# Altium PCB InsaneKeyboard.PcbDoc (part 4 of 4)
Units mil, origin at the board's own origin, x right, y up, seen from the top; angles counter-clockwise.
Board outline 7442.83 x 6333.68 mil, 2 copper layers (Top Layer, Bottom Layer), stack 61.756 mil thick; 289 components, 175 nets, 928 pads, 1143 vias.
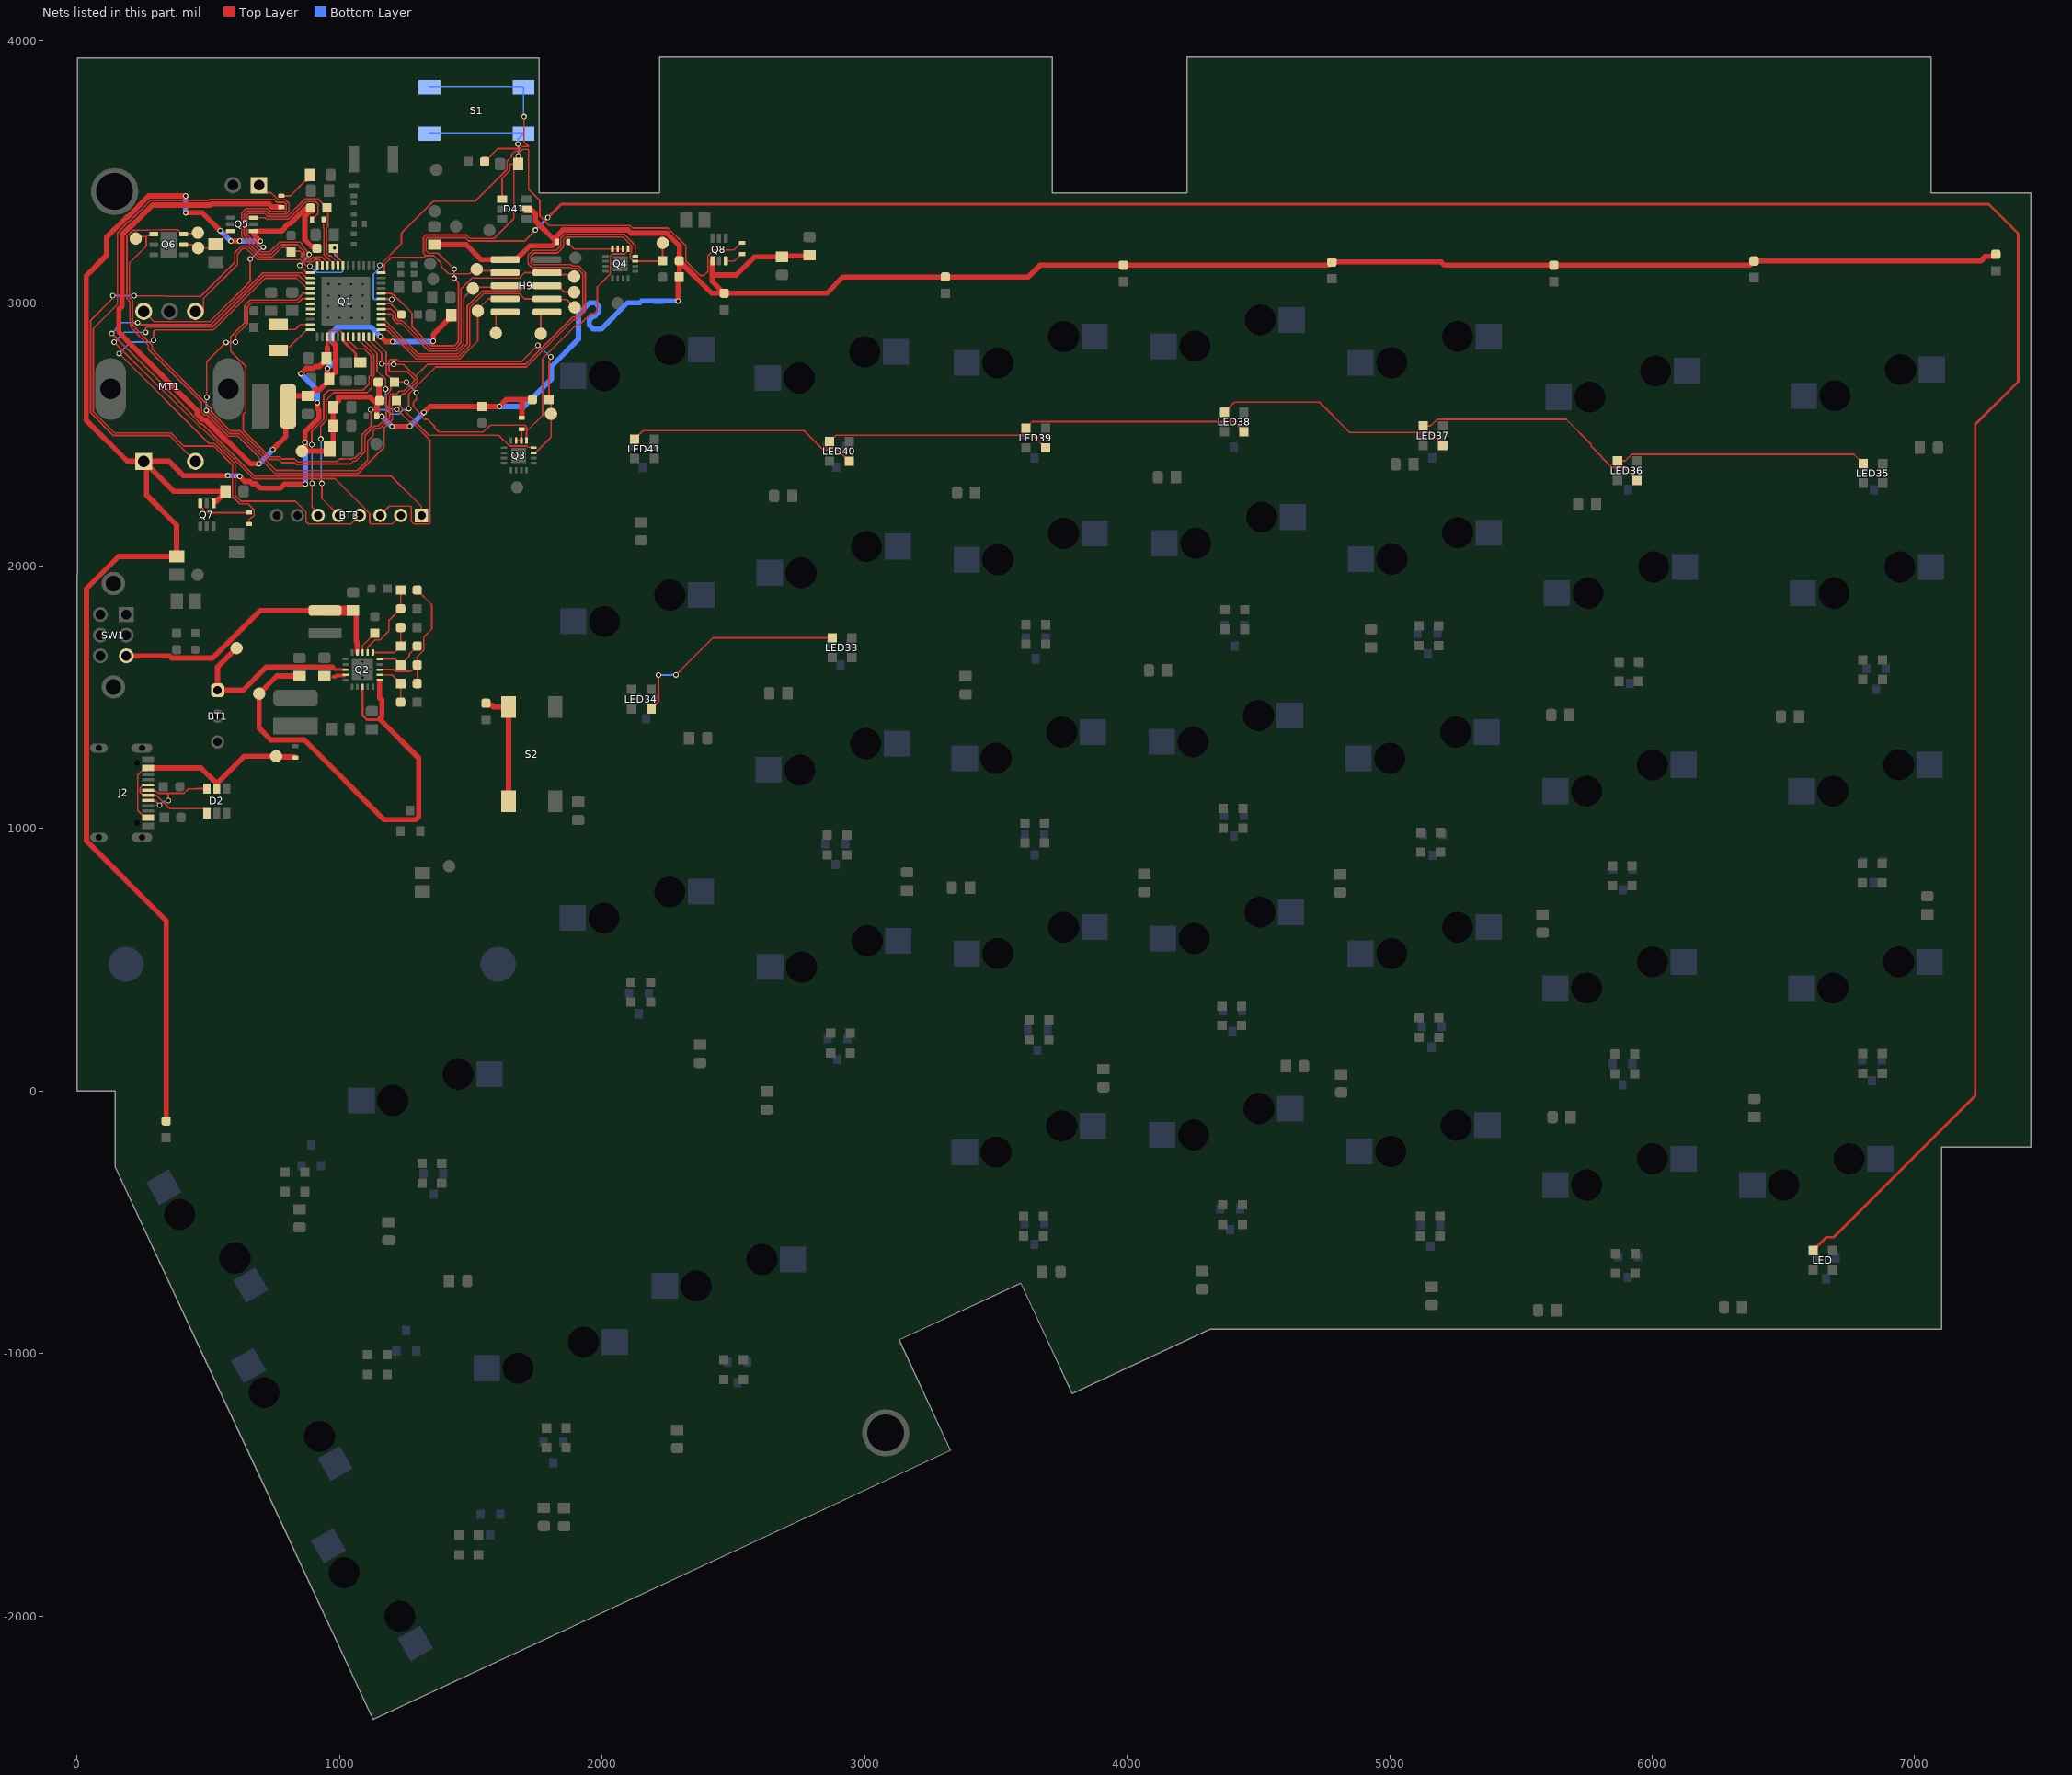
[diagram p4: the nets of this part, all layers, seen from the top]

## Via types
v1: diameter 21, hole 13, Top Layer to Bottom Layer, tented both sides, 1023 vias
v2: diameter 21, hole 13, Top Layer to Bottom Layer, 120 vias

## Nets (pads, with @x,y where several pads share a name; then routed paths per layer and width w, separated by ;. In a path a pad name is that pad's centre, name@x,y a point inside that pad or via, vN(x,y) a via of type N, cw(c..) or ccw(c..) an arc to the next point about the centre after c; other vN are vias at no path point) (continued)
NetLED33_3-DI: LED33.3-DI LED34.1-DO | length 862.7
  Top Layer w6: LED34.1-DO@2187.4,1453.6 2216,1482.2 v2(2216,1583) ; v2(2282,1584) 2423,1725 LED33.3-DI@2877.02,1725
  Bottom Layer w6: v2(2216,1583) 2266,1583 2269,1586 2280,1586 v2(2282,1584)
NetLED35_1-DO: LED35.1-DO LED36.3-DI | length 960.6
  Top Layer w6: LED36.3-DI@5867.6,2399.4 5897.07,2399.4 5921.79,2424.12 6768.88,2424.12 LED35.1-DO@6803.6,2389.4
NetLED36_1-DO: LED36.1-DO LED37.3-DI | length 926.1
  Top Layer w6: LED37.3-DI@5127.6,2532.4 5157.07,2532.4 5181.79,2557.12 5672.63,2557.12 5767.5,2462.25 5767.5,2454.17 5846.98,2374.69 5892.31,2374.69 LED36.1-DO@5942.4,2324.6
NetLED37_1-DO: LED37.1-DO LED38.3-DI | length 915.9
  Top Layer w6: LED38.3-DI@4370.6,2584.4 4408.7,2622.5 4732.75,2622.5 4847.57,2507.69 5152.31,2507.69 LED37.1-DO@5202.4,2457.6
NetLED38_1-DO: LED38.1-DO LED39.3-DI | length 857
  Top Layer w6: LED39.3-DI@3614.6,2523.4 3639.31,2548.12 4406.88,2548.12 LED38.1-DO@4445.4,2509.6
NetLED39_1-DO: LED39.1-DO LED40.3-DI | length 853.1
  Top Layer w6: LED40.3-DI@2866.6,2472.4 2891.31,2497.12 3640.88,2497.12 LED39.1-DO@3689.4,2448.6
NetLED40_1-DO: LED40.1-DO LED41.3-DI | length 878.2
  Top Layer w6: LED41.3-DI@2124.6,2482.4 2156.32,2514.12 2769.65,2514.12 2843.08,2440.69 2898.31,2440.69 LED40.1-DO@2941.4,2397.6
NetQ2_7: Q2.7 R11.1 R15.2 | length 165.4
  Top Layer w6: Q2.7@1152.96,1584.31 1200.17,1584.31 R11.1@1233.4,1551.08 R15.2@1233.4,1479.91
NetQ2_8: Q2.8 R2.2 R11.2 R12.2 | length 558.3
  Top Layer w6: Q2.8@1152.96,1604 1206.31,1604 1212.79,1597.53 1271.68,1597.53 R12.2@1296.39,1622.25 ; R11.2@1296.39,1551.08 R12.2@1296.39,1622.25 ; R2.2@1296.39,1906.91 1352,1851.31 1352,1758.25 1321.11,1727.36 1321.11,1677.98 1296.39,1653.27 R12.2@1296.39,1622.25
NetQ2_10: Q2.10 R12.1 R14.2 | length 186.5
  Top Layer w6: Q2.10@1152.96,1643.37 1212.28,1643.37 R12.1@1233.4,1622.25 1265.91,1654.76 1265.91,1662.93 R14.2@1296.39,1693.41
NetQ2_11: Q2.11 R14.1 R17.2 | length 187.3
  Top Layer w6: Q2.11@1127.37,1668.96 1208.95,1668.96 R14.1@1233.4,1693.41 R17.2@1233.4,1764.58
NetQ2_12: Q2.12 R2.1 R7.2 | length 301.7
  Top Layer w6: Q2.12@1107.68,1668.96 1107.68,1689.77 1135.7,1717.79 1155.62,1717.79 1188.17,1750.34 1188.17,1790.51 R7.2@1233.4,1835.74 R2.1@1233.4,1906.91
NetQ3_14: Q3.14 Q3.15 R27.2 | length 63.7
  Top Layer w6: Q3.15@1673.16,2476.5 Q3.14@1692.84,2476.5 1693.42,2477.08 1693.42,2519.42 R27.2@1694,2520
NetQ4_14: Q4.14 Q4.15 Q4.16 R28.2 | length 217.5
  Top Layer w6: R28.2@1871.65,3229.06 1894.22,3206.5 Q4.16@2040.47,3206.5 Q4.15@2060.16,3206.5 Q4.14@2079.84,3206.5
NetQ5_3: Q5.3 R29.1 | length 351.1
  Top Layer w6: Q5.3@672.31,3325.59 716.98,3325.59 723.14,3319.43 798.5,3319.43 798.72,3319.65 805.66,3319.65 867.16,3381.15 868.8,3381.15 874.52,3386.87 909.26,3386.87 918.5,3377.64 918.5,3341.09 904.22,3326.81 901.22,3326.81 896.35,3321.94 R29.1@896.35,3318
NetQ7_3: Q7.3 R333.1 | length 207.1
  Top Layer w6: Q7.3@469.41,2237.31 469.41,2227.46 495.22,2201.65 R333.1@656,2201.65
NetQ8_3: Q8.3 R37.1 | length 71.8
  Top Layer w6: Q8.3@2471.59,3160.69 2504.41,3160.69 R37.1@2532,3188.28
NetR6_2: R6.2 S1.1 S1.2 | length 782.4
  Top Layer w6: R6.2@1553.5,3539 1603,3588.5 1687.25,3588.5 1695.16,3596.41 1719.93,3596.41 1703,3613.34 v2(1703,3710.56)
  Bottom Layer w6: S1.1@1342.87,3822.58 S1.2@1701.13,3822.58 1701.13,3714.87 1703,3713 v2(1703,3710.56)
NetR38_2: R38.2 S2.1 S2.2 | length 450.8
  Top Layer w20: R38.2@1558,1476 1565.72,1468.28 1579.71,1468.28 1586.86,1461.13 S2.1@1644.42,1461.13 S2.2@1644.42,1102.87
PAVDD: L4.1 R4.2 | length 149.8
  Top Layer w6: R4.2@779,3408.31 812.87,3408.31 867.94,3463.38 876.94,3463.38 877.94,3464.38 877.94,3478.31 L4.1@887.63,3488
PTI_DATA: H9.10 TP12.1 | length 88.5
  Top Layer w6: TP12.1@1770,2897 1767,2900 1767,2956.27 1776.73,2966 H9.10@1791,2966
PTI_FRAME: H9.9 TP8.1 | length 109.3
  Top Layer w6: TP8.1@1596,2886 1596,2956.27 1605.73,2966 H9.9@1631,2966
RADIO_PA0: H3.1 Q1.25 | length 861.4
  Top Layer w6: H3.1@694,3449 722.5,3420.5 739.53,3420.5 766.6,3393.43 794.29,3393.43 807.81,3379.92 807.81,3350.09 797.38,3339.65 790.44,3339.65 790.22,3339.43 731.42,3339.43 720.39,3350.46 649.86,3350.46 637.59,3338.2 637.59,3258.31 700.4,3195.5 734.7,3195.5 771.86,3232.66 850.79,3232.66 856.72,3226.74 856.72,3219.28 876.5,3199.5 876.5,3197.56 885,3189.06 v1(885,3185) ; v1(849,3143) 850.94,3143 858.98,3134.96 858.98,3132.11 875.72,3115.37 Q1.25@887.53,3115.37
  Bottom Layer w6: v1(849,3143) 872.09,3166.09 872.09,3170.33 885,3183.24 v1(885,3185)
RADIO_PA1: BT3.1 Q1.26 | length 2355.2
  Top Layer w6: v1(133,2884) 133.75,2884 303.79,2713.96 439.81,2573.56 441.5,2571.81 441.5,2569.46 471.67,2539.3 478.88,2539.3 676.8,2341.38 1197.31,2341.38 1312.59,2226.09 BT3.1@1312.59,2191.35 ; v1(231.43,2925.65) 235.49,2925.65 242.89,2918.25 511.01,2918.25 707.76,3115 856.4,3115 875.72,3095.69 Q1.26@887.53,3095.69
  Bottom Layer w6: v1(133,2884) 147.77,2898.77 147.77,2901.01 172.4,2925.65 v1(231.43,2925.65)
RADIO_PA2: BT3.2 Q1.27 | length 2283.7
  Top Layer w6: v1(142,2851) 142.53,2851 177.81,2815.72 178.73,2814.54 179.98,2812.45 182.26,2810.16 467.53,2529.3 528.53,2475.5 672.65,2331.38 982.65,2331.38 1115.4,2198.63 1115.4,2162.11 1118.92,2158.6 1201.1,2158.6 BT3.2@1233.85,2191.35 ; v1(261.98,2888.53) 261.98,2904.49 265.49,2908 515,2908 712,3105 846.72,3105 875.72,3076 Q1.27@887.53,3076
  Bottom Layer w6: v1(142,2851) 180.5,2889.5 261.01,2889.5 v1(261.98,2888.53)
RADIO_PA3: BT3.4 Q1.28 | length 2172.8
  Top Layer w6: v1(160.85,2807.94) 503.29,2465.5 524.39,2465.5 602.59,2387.3 602.59,2268.17 625.29,2245.46 832.35,2245.46 872.9,2204.91 872.9,2167.1 881.4,2158.6 1043.62,2158.6 BT3.4@1076.37,2191.35 ; v1(291.95,2858.25) 291.95,2894.49 295.46,2898 520,2898 717,3095 837.03,3095 875.72,3056.31 Q1.28@887.53,3056.31
  Bottom Layer w6: v1(160.85,2807.94) 204.02,2851.12 280.93,2851.12 288.07,2858.25 v1(291.95,2858.25)
RADIO_PA4: Q1.29 Q4.11 R30.1 TP24.1 | length 3590
  Top Layer w6: Q1.29@887.53,3036.63 861.6,3036.63 850.62,3025.65 850.62,3023.18 838.87,3011.43 660.65,3011.43 639.28,2990.06 639.28,2925.25 586,2871.96 586,2816.88 643.46,2759.42 643.46,2586.58 633.36,2576.48 633.36,2515.92 734.7,2414.59 771.67,2414.59 779.88,2406.38 829.17,2406.38 840.17,2395.38 873.29,2395.38 874.92,2397 991.17,2397 1000.55,2406.38 1015.49,2406.38 1016.11,2407 1038.89,2407 1039.51,2406.38 1047.49,2406.38 1049.79,2408.69 1058,2408.69 1086.5,2437.18 1086.5,2498.53 1119.57,2531.6 1119.57,2593.43 v1(1119,2594) ; v1(1264.13,2598.13) 1264.13,2654.88 1366.25,2757 1712.31,2757 1892.58,2937.26 1906.71,2937.26 1936.62,2967.17 1936.62,3115.83 1910.83,3141.62 1887.07,3141.62 1882.69,3146 1736.91,3146 1729,3153.91 1729,3178.09 1741.73,3190.83 1829.9,3190.83 1853.29,3214.22 1853.29,3241.91 1863.19,3251.81 2080.29,3251.81 2111.65,3220.46 2111.65,3192.54 2107.69,3188.57 2107.69,3171.96 2119.8,3159.84 Q4.11@2126.5,3159.84 2229.34,3159.84 R30.1@2231,3161.5 ; TP24.1@2231,3229 R30.1@2231,3161.5 ; R30.1@2231.5,3161 R30.1@2231,3161.5
  Bottom Layer w6: v1(1119,2594) 1152.89,2594 1153.25,2593.64 1181,2593.64 1197.16,2577.47 1226.53,2577.47 1242.69,2593.64 1253.11,2593.64 1254.73,2595.26 1261.26,2595.26 v1(1264.13,2598.13)
RADIO_PA5: Q1.30 Q3.11 R26.1 TP23.1 | length 3078.3
  Top Layer w6: v2(493,2590.8) 580.8,2503 618,2503 758,2363 824.47,2363 826.09,2361.38 887.38,2361.38 888,2362 1067.16,2362 1107.4,2402.23 1107.4,2474.7 1128,2495.31 1128,2511.75 1138.25,2522 1152.39,2522 1191,2560.61 1191,2627.22 1191.78,2628 1191.78,2649.62 1195.88,2653.72 1216.72,2653.72 1228,2665 1245.12,2665 1286.06,2705.94 1286.06,2710.91 1257.47,2739.5 1192.64,2739.5 1189.13,2743.01 1189.13,2779.94 1193.77,2784.59 1218.83,2784.59 1226.42,2777 1693.42,2777 v1(1755.71,2839.29) ; v2(494.86,2640.86) 494.86,2776.36 v2(568.5,2850) ; v2(604,2851) 604,2875.82 649.28,2921.1 649.28,2985.92 664.79,3001.43 843.02,3001.43 858.53,3016.94 Q1.30@887.53,3016.94 ; Q3.11@1746.19,2429.84 1806,2489.65 1806,2625.5 R26.1@1798.5,2633 1798.5,2776.44 1801.76,2779.71 1801.76,2792.4 v1(1804.63,2795.27)
  Bottom Layer w6: v2(493,2590.8) 493,2639 v2(494.86,2640.86) ; v2(568.5,2850) 569,2850.5 603.5,2850.5 v2(604,2851) ; v1(1755.71,2839.29) 1758.17,2839.29 1802.18,2795.27 v1(1804.63,2795.27)
RADIO_PB11: Q1.31
RADIO_PB12: Q1.32
RADIO_PB13: Q1.33
RADIO_PB14: Q1.35 X2.2 | length 136.4
  Top Layer w6: X2.2@767,2918.21 785.65,2899.56 816.05,2899.56 816.4,2899.21 832.85,2899.21 852.15,2918.52 Q1.35@887.53,2918.52
RADIO_PB15: Q1.36 X2.1 | length 153.3
  Top Layer w6: X2.1@767,2819.79 780.22,2833 809.89,2833 875.72,2898.83 Q1.36@887.53,2898.83
RADIO_PC6: BT3.6 Q1.43 | length 900.4
  Top Layer w6: v1(895,2460.5) 895,2512.17 939.87,2557.04 939.87,2648.66 959.82,2668.62 1090.51,2668.62 1112.79,2690.9 1112.79,2718.57 1120,2725.78 1120,2799.66 1094.1,2825.56 1067.11,2825.56 Q1.43@1032.61,2860.05 ; v1(896,2313.88) 896,2223.34 918.89,2200.45 BT3.6@918.89,2191.35
  Bottom Layer w6: v1(895,2460.5) 895.5,2460 895.5,2314.38 v1(896,2313.88)
RADIO_PC7: Q1.44
RADIO_PC8: BT3.5 Q1.45 | length 880.6
  Top Layer w6: v1(928.9,2482.72) 928.9,2531.93 949.87,2552.89 949.87,2630.52 977.97,2658.62 1104.62,2658.62 1122.79,2676.79 1122.79,2714.43 1131,2722.64 1131,2802.8 1098.24,2835.56 1096.48,2835.56 Q1.45@1071.98,2860.05 ; v1(933,2313) 933,2255.98 BT3.5@997.63,2191.35
  Bottom Layer w6: v1(928.9,2482.72) 930.95,2480.67 930.95,2315.05 v1(933,2313)
RADIO_PC9: BT3.3 Q1.46 | length 1090.5
  Top Layer w6: Q1.46@1091.66,2860.05 1143.5,2808.22 1143.5,2741.15 1160.93,2723.72 1162.93,2723.72 1176,2710.65 v1(1176,2672.73) ; BT3.3@1155.11,2191.35 1190.36,2226.6 1270.49,2226.6 1274,2223.08 1274,2168.54 1283.94,2158.6 1341.24,2158.6 1345.34,2162.7 1345.34,2478.02 1274.93,2548.43 1265.82,2548.43 v1(1219.28,2594.97)
  Bottom Layer w6: v1(1176,2672.73) 1176,2612.78 1192,2596.78 1217.47,2596.78 v1(1219.28,2594.97)
RADIO_PC10: Q1.47 Q3.12 Q4.12 Q6.6 R31.1 TP33.1 | length 4777.4
  Top Layer w6: Q6.6@407.09,3262.37 399.99,3262.37 388.64,3273.72 388.64,3274.97 384.4,3279.21 315.6,3279.21 273.28,3278.23 232.01,3276.62 211.32,3276.62 190.5,3255.81 190.5,3016.61 202.2,3004.91 202.2,2958.83 202.06,2951.62 202.06,2949.08 204.5,2913.71 204.65,2912.26 204.75,2911.36 224.53,2887.65 252.08,2859.23 262.65,2848.43 272,2839.08 272,2824.83 475.5,2621.33 475.5,2583.55 485.75,2573.3 496.36,2573.3 576.65,2493 613,2493 754.62,2351.38 1070.68,2351.38 1170.62,2451.32 1170.62,2524.62 1201.78,2555.78 1201.78,2614.28 R31.1@1209,2621.5 ; Q6.6@407.09,3265.19 458.18,3265.19 TP33.1@461,3268 ; Q1.47@1111.35,2871.87 1111.35,2860.06 1161,2810.4 v2(1161,2769) ; v2(1206.63,2766.63) 1244.49,2766.63 1289.39,2721.73 ; R31.1@1216.5,2629 R31.1@1209,2621.5 ; Q3.12@1739.5,2449.53 1737.72,2451.3 1718.69,2451.3 1714.44,2455.54 1648.35,2455.54 1606.89,2497 1340.5,2497 1238,2599.5 1238,2601 1231.21,2607.79 1231.21,2614.28 1224,2621.5 R31.1@1209,2621.5 ; Q4.12@2126.5,3179.53 2126.5,3219.75 2084.43,3261.81 1859.04,3261.81 1843.29,3246.05 1843.29,3218.36 1825.76,3200.83 1737.59,3200.83 1719,3182.23 1719,3149.77 1732.77,3136 1878.55,3136 1882.93,3131.62 1906.68,3131.62 1926.62,3111.68 1926.62,2971.32 1902.57,2947.26 1888.44,2947.26 1708.17,2767 1334.66,2767 1289.39,2721.73 ; R31.1@1209,2621.5 1242.5,2655 1249.26,2655 1296.06,2701.8 1296.06,2715.05 1289.39,2721.73
  Bottom Layer w6: v2(1161,2769) 1162,2768 1205.25,2768 v2(1206.63,2766.63)
RADIO_PC11: Q1.48 Q3.13 Q4.13 Q6.1 R32.1 TP34.1 | length 3713.6
  Top Layer w6: TP34.1@224,3246 231.64,3253.64 263.94,3253.64 ; Q6.1@292.91,3262.37 287.69,3257.15 267.46,3257.15 263.94,3253.64 ; Q1.48@1131.03,2871.87 1131.03,2860.06 1178.5,2812.59 1178.5,2729 1183.3,2724.21 1185.29,2724.21 R32.1@1210.5,2699 ; v1(1255.19,2699.81) 1211.31,2699.81 1195.78,2684.28 1195.78,2670.78 1194.28,2669.28 1194.28,2666.26 1178.22,2650.2 1178.22,2561.97 1148.25,2532 1134.11,2532 1096.97,2494.86 1096.97,2433.51 1067.96,2404.5 1062.14,2398.69 1053.94,2398.69 1042.25,2387 879.06,2387 877.44,2385.38 836.03,2385.38 828.91,2392.5 779.62,2392.5 767.53,2404.59 730.55,2404.59 622.14,2513 584.94,2513 510.5,2587.44 510.5,2600.47 287,2823.97 287,2837 282,2843.23 282,2843.45 259.19,2866.27 234.53,2891.71 214.5,2915.75 214.44,2916.78 212.2,2953.82 212.2,3009.05 200.5,3020.75 200.5,3152.6 263.94,3216.05 263.94,3253.64 ; v1(1293,2659) 1293,2633.9 1281.63,2622.53 1281.63,2606.32 1303.3,2584.64 1303.3,2578.45 1324.97,2556.77 1336.72,2556.77 1361.93,2531.57 1361.93,2526.02 1379.45,2508.5 1548.14,2508.5 1574.51,2534.87 1706.4,2534.87 1712.81,2528.47 1712.81,2511.5 ; Q3.13@1712.53,2476.5 1712.53,2511.21 1712.81,2511.5 ; Q4.13@2099.53,3206.5 2099.53,3199.8 2087.41,3187.69 2040.7,3187.69 2032.31,3179.3 2032.31,3111.43 2007.41,3086.52 1982.5,3061.61 1982.5,2984.77 1981.62,2983.89 1981.62,2969.75 1971.37,2959.5 1965.25,2959.5 1957.23,2959.5 1915,2917.26 1901.88,2917.26 1773.78,2789.17 1773.78,2572.47 1712.81,2511.5
  Bottom Layer w6: v1(1255.19,2699.81) 1255.19,2696.81 v1(1293,2659)
RADIO_PD10: MT1.B Q1.19 R36.1 | length 938.1
  Top Layer w6: MT1.B@451.43,2968.28 454.35,2965.35 482.5,2965.35 482.5,3017.5 611.54,3146.54 611.54,3187.29 631.62,3207.36 646.11,3207.36 687.98,3165.5 851.25,3165.5 873.88,3142.87 885.13,3142.87 v1(888,3140) ; v1(981.5,3210) 991,3200.5 991,3176.07 1012.92,3154.15 Q1.19@1012.92,3142.34
  Bottom Layer w6: v1(888,3140) 901.86,3126.14 905.96,3126.14 915.11,3117 1008.49,3117 1012,3120.51 1012,3155 981.5,3185.5 v1(981.5,3210)
RADIO_PD11: MT1.A Q1.20 R33.1 | length 1397.1
  Top Layer w6: MT1.A@254.57,2968.28 294.06,2928.8 505.8,2928.8 660.36,3083.36 v1(660.36,3168.36) ; v1@709.62,3213.38 708.69,3214.31 695.73,3214.31 683.02,3227.02 647.59,3262.45 647.59,3334.06 654,3340.46 716.25,3340.46 727.28,3329.43 794.36,3329.43 794.58,3329.65 801.52,3329.65 865.87,3394 867.5,3394 870.38,3396.87 918.22,3396.87 961.71,3353.38 955.76,3347.44 955.76,3290.96 951.76,3286.96 951.76,3188.4 959.74,3180.43 966.96,3180.43 991.12,3156.27 991.12,3144.46 Q1.20@993.24,3142.34
  Bottom Layer w6: v1(660.36,3168.36) 662.86,3168.36 707.5,3213 v1(710,3213)
RADIO_PD12: Q1.21 R29.2 | length 190.7
  Top Layer w6: R29.2@939.65,3318 939.65,3287.54 941.44,3285.75 941.44,3184.58 955.6,3170.43 957.27,3170.43 973.55,3154.15 Q1.21@973.55,3142.34
RADIO_PD13: Q1.22 R333.2 | length 3046.7
  Top Layer w6: R333.2@656,2158.35 656,2175.22 663.83,2183.05 666.98,2183.05 674.81,2190.88 674.81,2212.43 651.78,2235.46 621.15,2235.46 592.59,2264.02 592.59,2383.16 520.25,2455.5 407.48,2455.5 357.41,2505.57 143.55,2505.57 62.54,2586.58 62.54,2902.79 154.5,2994.75 154.5,3267.89 197.23,3310.62 200.74,3310.62 280.66,3390.54 500.64,3390.54 504.56,3394.46 751.42,3394.46 762.45,3383.43 790.15,3383.43 797.81,3375.77 797.81,3354.23 793.24,3349.65 784.45,3349.65 784.23,3349.43 735.57,3349.43 724.54,3360.46 645.71,3360.46 627.59,3342.34 627.59,3254.17 696.26,3185.5 738.84,3185.5 776,3222.66 839.2,3222.66 839.64,3222.22 842.62,3222.22 846.72,3218.12 846.72,3215.14 866.5,3195.36 866.5,3178.75 877.75,3167.5 892.25,3167.5 901.02,3176.27 931.75,3176.27 953.87,3154.15 Q1.22@953.87,3142.34
RADIO_PD14: MT1.2 Q1.23 R3.1 | length 1944.4
  Top Layer w6: v2(137,3028) 134.13,3025.13 134.13,3016.13 52.54,2934.54 52.54,2582.44 139.41,2495.57 353.27,2495.57 MT1.2@451.43,2397.41 ; v2(218,3028) 467.03,3025 471.27,3025 601.54,3155.27 601.54,3191.43 627.47,3217.36 650.25,3217.36 692.12,3175.5 742.98,3175.5 778.99,3211.5 808,3211.5 R3.1@820.5,3199 ; R3.1@816,3194.5 819.44,3197.95 849.77,3197.95 856.5,3191.22 856.5,3174.61 873.61,3157.5 896.39,3157.5 905.16,3166.27 922.06,3166.27 934.18,3154.15 Q1.23@934.18,3142.34
  Bottom Layer w6: v2(137,3028) v2(218,3028)
RADIO_PD15: Q1.24
RADIO_PF0: H9.7 Q1.1 TP7.1 | length 684.9
  Top Layer w6: Q1.1@1158,2898.83 1180.9,2898.83 1236.48,2843.25 1236.48,2842.91 1292.4,2787 1458.32,2787 1527,2855.68 1527,2976 1567,3016 H9.7@1631,3016
RADIO_PF1: H9.8 Q1.2 TP11.1 | length 990.6
  Top Layer w6: Q1.2@1158,2918.52 1169.81,2918.52 1177.38,2910.95 1182.92,2910.95 1246.48,2847.39 1246.48,2847.06 1296.54,2797 1454.18,2797 1496.38,2839.2 1496.38,2982.68 1549.69,3036 1685.09,3036 1705.09,3016 1831.5,3016 1833.66,3013.84 1866.16,3013.84 1890,2990 TP11.1@1890,2984
RADIO_PF2: H9.6 Q1.3 TP13.1 | length 982
  Top Layer w6: Q1.3@1169.81,2938.2 1256.48,2851.53 1256.48,2851.2 1300.68,2807 1450.03,2807 1486.38,2843.34 1486.38,2986.83 1545.55,3046 1685.09,3046 1705.09,3066 1832.98,3066 1856.98,3042 TP13.1@1896,3042
RADIO_PF3: H9.5 Q1.4 TP10.1 | length 746.4
  Top Layer w6: Q1.4@1158,2957.89 1198.11,2957.89 1203.76,2952.24 1203.76,2937.82 1218.33,2923.25 1234.5,2923.25 1340.75,2817 1445.89,2817 1473.14,2844.24 1473.14,3020.86 1513.27,3061 1626,3061 H9.5@1631,3066
RADIO_PF4: H9.4 Q1.5 TP9.1 | length 1049.4
  Top Layer w6: Q1.5@1158,2977.57 1195.43,2977.57 1213.76,2959.24 1213.76,2956.39 1213.76,2941.96 1222.47,2933.25 1236.89,2933.25 1239.75,2933.25 1346,2827 1441.75,2827 1463.14,2848.39 1463.14,3054.17 1504.97,3096 1685.09,3096 1705.09,3116 H9.4@1791,3116 1798.5,3108.5 TP9.1@1891.5,3108.5
RADIO_PF5: LED2.A Q1.6 | length 95.6
  Top Layer w6: Q1.6@1158,2997.26 1195.24,2997.26 LED2.A@1236.5,2956
RADIO_PF6: Q1.7 R37.2 | length 2301.7
  Top Layer w6: v1(1154,3144) 1236.5,3226.5 1236.5,3266.81 1357.46,3387.76 1517.52,3387.76 1638.47,3508.72 1638.47,3540.47 1655,3556.99 1655,3564.89 1668.61,3578.5 1691.39,3578.5 1699.31,3586.41 1716.83,3586.41 1720.34,3582.9 1720.34,3433.83 1763.7,3390.48 1763.7,3331.55 1799.44,3295.81 2106.24,3295.81 2116.24,3285.81 2251.44,3285.81 2319.21,3218.03 2319.21,3160.33 2374.25,3105.29 2388.75,3105.29 2403.41,3119.95 2403.41,3179.18 2426.37,3202.14 2502.55,3202.14 2530.06,3229.65 R37.2@2534,3229.65 ; Q1.7@1158,3016.94 1159.22,3015.73 1198.09,3015.73 v1(1199.31,3014.51)
  Bottom Layer w6: v1(1154,3144) 1151.26,3141.26 1151.26,3131.16 1129,3108.91 1129,3018.02 1132.51,3014.51 v1(1199.31,3014.51)
RADIO_PF7: LED.3-DI Q1.8 | length 11267.8
  Top Layer w6: Q1.8@1158,3036.63 1198.71,3036.63 1203.97,3031.38 1207.19,3031.38 1276.75,2961.82 1276.75,2910.39 1350.14,2837 1437.61,2837 1453.06,2852.45 1453.06,3077.9 v1(1437,3093.96) ; v1(1437.46,3128.96) 1375.79,3190.62 1339.72,3190.62 1330.38,3199.97 1330.38,3245.14 1334.48,3249.24 1480.01,3249.24 1492.87,3236.38 1704.38,3236.38 v1(1746.29,3278.29)
  Top Layer w10: v1(1794,3326) 1845.08,3377.08 7281.5,3377.08 7393.72,3264.86 7393.72,2701.29 7230.5,2538.08 7230.5,-18.75 6691.46,-557.78 6663.41,-557.78 LED.3-DI@6612.6,-608.6
  Bottom Layer w6: v1(1437,3093.96) 1437.23,3094.19 1437.23,3128.73 v1(1437.46,3128.96)
  Bottom Layer w10: v1(1746.29,3278.29) v1(1794,3326)
RESET: C14.1 D41.1 H9.3 Q1.12 S1.3 S1.4 TP6.1 | length 1897.2
  Top Layer w6: Q1.12@1158,3115.37 1169.38,3115.37 1171.5,3117.49 1171.5,3147.36 1198.64,3174.5 1322.56,3174.5 1328.68,3180.62 1358.68,3180.62 1387.2,3152.11 1387.2,3139.97 1415.71,3111.46 1494.41,3111.46 1511.95,3129 TP6.1@1523,3129 1529.5,3122.5 1624.5,3122.5 H9.3@1631,3116 ; 1328.68,3181.87 1320.38,3190.17 1320.38,3249.28 1330.34,3259.24 1484.15,3259.24 1497.01,3246.38 1589.14,3246.38 1664,3321.23 1664,3512.79 C14.1@1680.69,3529.47 ; D41.1@1620,3395.4 1620,3476.1 1648.47,3504.57 1648.47,3525.95 1652,3529.47 C14.1@1680.69,3529.47 ; v2(1680.69,3561) C14.1@1680.69,3529.47
  Bottom Layer w6: S1.3@1342.87,3645.42 S1.4@1701.13,3645.42 1680,3624.28 v2(1680,3606) 1683,3603 1683,3563.31 v2(1680.69,3561)
TEMP_LOAD_SW: C28.1 Q5.6 Q6.5 TP27.1 | length 215.4
  Top Layer w6: Q6.5@407.09,3223 437.84,3223 450.84,3210 520.1,3210 571.55,3261.45 571.55,3269.61 576.36,3274.41 Q5.6@585.69,3274.41
USB_D_N: D2.1 J2.A7 J2.B7 | length 341.7
  Top Layer w6: J2.B7@271,1164.69 268.09,1161.78 249.53,1161.78 241.56,1153.8 241.56,1136.2 245.66,1132.1 247.68,1132.1 254.46,1125.32 302.86,1125.32 354.1,1074.08 484.81,1074.08 495.59,1063.3 D2.1@495.59,1057.39
USB_D_P: D2.6 J2.A6 J2.B6 | length 339.7
  Top Layer w6: J2.B6@271,1105.63 273.91,1102.72 300.28,1102.72 v1(315,1088) ; J2.A6@287.54,1145 290.44,1142.1 300.23,1142.1 308.88,1133.44 348,1133.44 ; v1(348,1105) 348,1133.44 ; D2.6@495.59,1150.4 454.85,1150.4 453.95,1149.5 423.98,1149.5 407.93,1133.44 348,1133.44
  Bottom Layer w6: v1(315,1088) 329.13,1102.13 345.13,1102.13 v1(348,1105)
USB_VCC: D2.5 J2.A4_B9 J2.B4_A9 R13.2 TP16.1 | length 887.4
  Top Layer w6: J2.B4_A9@271,1040.67 260.37,1040.67 247.68,1053.35 245.66,1053.35 231.56,1067.46 231.56,1202.86 249.53,1220.84 262.19,1220.84 J2.A4_B9@271,1229.65 ; D2.5@532.99,1169.53 532.99,1156.36 D2.5@539.57,1162.95
  Top Layer w20: J2.A4_B9@271,1229.65 472.88,1229.65 532.99,1169.53 637.46,1274 TP16.1@759,1274 761.53,1271.47 R13.2@830.19,1271.47
VBAT: BT1.1 Q2.18 TP18.1 | length 716.7
  Top Layer w10: 973.35,1613.79 982.18,1604.96 Q2.18@1022.08,1604.96
  Top Layer w20: TP18.1@608,1686 536,1614 BT1.1@536,1525.43 633.22,1525.43 721.58,1613.79 973.35,1613.79
VBAT_OK: Q2.13 R18.1 | length 85.9
  Top Layer w6: Q2.13@1088,1676.05 1088,1677.77 1088,1695.5 R18.1@1135,1742.5
VDCDC: C6.1 C9.1 L3.1 L5.2 Q1.40 R4.1 | length 3172.6
  Top Layer w10: 974.12,2850.64 Q1.40@974.12,2864.94
  Top Layer w20: v1(693.63,2387.63) 693.36,2387.63 692.98,2388 661.24,2388 638.97,2410.27 638.77,2410.46 575.48,2472.04 569.61,2476 489.32,2556.3 478.71,2556.3 458.5,2576.51 458.5,2589.5 207.02,2840.98 206.73,2841.27 160.16,2889.84 160.16,2976.37 172.15,2988.36 172.15,3261.5 204.27,3293.62 207.78,3293.62 287.7,3373.54 507.68,3373.54 511.6,3377.46 731.58,3377.46 742.61,3366.43 R4.1@777.19,3366.43 ; v1(746.09,2442.09) 796.08,2492.08 796.08,2593.77 L5.2@806.8,2604.5 ; L5.2@804.3,2607 804.3,2625.39 825.36,2646.45 C6.1@879,2646.45 882.94,2646.45 905.58,2669.09 923.48,2669.09 961.45,2707.06 C9.1@961.45,2711 ; v2(954.19,2750.69) 954.19,2718.26 C9.1@961.45,2711 ; 974.12,2850.64 986,2838.76 986,2738 985.81,2737.81 984.32,2737.81 961.45,2714.94 C9.1@961.45,2711 ; v2(1156,2873) 1156.27,2873 1176.27,2853 1201.98,2853 v2(1202.17,2852.81) ; v2(1357.39,2854.5) 1357.58,2854.69 1357.58,2880.27 1426.37,2949.06 L3.1@1426.37,2953
  Bottom Layer w20: v1(693.63,2387.63) 745.9,2439.9 745.9,2441.9 v1(746.09,2442.09) ; v2(954.19,2750.69) 985,2781.5 985,2840 970.73,2854.27 970.73,2885.19 993.54,2908 1121,2908 v2(1156,2873) ; v2(1202.17,2852.81) 1355.43,2852.81 1357.12,2854.5 v2(1357.39,2854.5)
VMCU: C7.1 C8.1 C13.1 C20.1 C21.1 C24.2 C25.1 C26.1 C29.1 C69.1 D41.5 H9.1 L6.1 MT1.1 Q1.39 Q1.42 Q5.1 Q7.1 Q8.1 R16.2 R19.2 R20.2 R21.2 R22.2 R23.2 R24.2 R25.2 R26.2 R27.1 R28.1 R30.2 R31.2 R32.2 R33.2 R34.1 R35.1 R36.2 TP21.1 | length 16731.6
  Top Layer w6: Q1.39@953.87,2883.68 965.98,2895.8 1000.8,2895.8 1010.8,2885.8 1010.8,2880.35 Q1.42@1012.35,2878.8
  Top Layer w10: 953.93,2831.07 Q1.39@953.93,2871.8 ; Q1.42@1012.92,2871.87 1013.04,2871.75 1013.04,2857.22 1062.62,2807.64 1062.62,2789.13 1077.31,2774.45 C8.1@1079,2774.45
  Top Layer w20: R25.2@340,-115 340,648.27 36.53,951.74 36.53,1912.23 159.3,2035 C24.2@380,2035 380,2153.94 265.13,2268.82 MT1.1@265.13,2386.86 ; v2(414,3344) 478,3344 v2(546,3276) ; v2(414,3408.04) 274.12,3408.04 193.7,3327.62 190.19,3327.62 112.86,3250.29 112.86,3181.22 35.54,3103.89 35.54,2553.97 192.09,2397.41 MT1.1@254.57,2397.41 ; Q7.1@522.72,2245.02 531.47,2245.02 565.91,2279.46 C69.1@565.91,2283.39 ; C69.1@553.61,2283.39 368.59,2283.39 MT1.1@265.13,2386.86 ; v2(575,2343) 405.04,2343 350.63,2397.41 MT1.1@254.57,2397.41 ; v2(587,3236) 619.73,3236 620.24,3236.51 v2(620.51,3236.51) ; v2@620.28,2339.81 639.07,2321.02 658.97,2321.02 667.99,2312 680.65,2312 697.65,2295 775.69,2295 791.69,2311 v2(870,2311) ; Q5.1@672.81,3272.28 672.81,3262.4 698.98,3236.23 698.98,3235.81 v1(699.17,3235.62) ; Q5.1@680.02,3274.41 780.66,3274.41 792.37,3286.13 792.37,3289.26 805.76,3302.65 812.71,3302.65 867.85,3357.8 885.59,3357.8 R33.2@889.95,3362.16 ; v1(853.37,2731) 853.64,2731 874.01,2751.38 901.27,2751.38 908.39,2758.5 923.89,2758.5 951.45,2786.06 C13.1@951.45,2788 ; TP21.1@857,2436 TP21.1@862.37,2436 ; TP21.1@864.37,2436 TP21.1@880.58,2436 ; R33.2@898.5,3349.28 888.15,3349.28 868.58,3329.72 868.58,3241.63 894.49,3215.72 906.79,3215.72 R36.2@914.5,3208 ; v2(916,2621) 916.19,2620.81 916.19,2597.7 921.51,2592.38 921.51,2562.72 869,2510.21 v1(869,2469) 869,2447.58 TP21.1@880.58,2436 ; C13.1@948.45,2787 C13.1@950.45,2789 ; 953.93,2831.07 954.19,2830.81 C13.1@954.19,2790.74 ; C25.1@954.35,2436 TP21.1@880.58,2436 ; C25.1@955.77,2437.41 971,2452.65 971,2465.83 975.64,2470.46 C21.1@975.64,2532 ; C21.1@976.55,2532 C20.1@976.55,2607.94 ; C20.1@976.55,2604 C20.1@976.55,2607.94 ; R31.2@1141.5,2626 1132.75,2626 1117.13,2641.62 996.24,2641.62 996.24,2627.62 C20.1@976.55,2607.94 ; L6.1@1141.68,2570 1142.43,2570.75 1142.43,2582.78 1143.5,2583.85 1143.5,2616.19 1142.09,2617.59 R31.2@1153.5,2629 ; L6.1@1142.68,2569 v1(1160.5,2569) ; R32.2@1147.5,2699 1150.5,2696 1150.5,2636.72 R31.2@1149.5,2636.72 ; v1(1200.71,2529.97) 1266.44,2529.97 1267.41,2530.93 v1(1267.68,2530.93) ; v1@1322.44,2584.44 1344.5,2606.5 v1(1609.73,2606.5) 1636.24,2633 1695.25,2633 ; C7.1@1361,3222.55 1482.65,3222.55 1539.21,3166 H9.1@1631,3166 1634,3169 1676,3169 1724.83,3217.83 1811.05,3217.83 1826.22,3233 1746.7,3312.52 1746.7,3340.18 1732.65,3354.22 1716.79,3354.22 D41.5@1713.01,3358 ; R27.1@1695.25,2565.43 1695.25,2633 ; R26.2@1735.5,2633 1695.25,2633 ; R28.1@1826.29,3234.81 1826.29,3253.1 1852,3278.81 2099.2,3278.81 2111.39,3266.62 2246.58,3266.62 2294.5,3218.71 2294.5,3168.72 R34.1@2294.5,3099 2289.69,3094.2 2289.69,3007.97 v1(2289.5,3007.77) ; R30.2@2295,3160.5 2418,3037.5 R24.2@2466,3037.5 ; Q8.1@2420.41,3160.69 2420.41,3107 ; C26.1@2790,3182.55 2786.95,3179.5 2689.05,3179.5 C29.1@2686,3176.45 2581.12,3176.45 2511.67,3107 2420.41,3107 ; R16.2@7309,3185.5 7301.28,3177.78 7268.57,3177.78 7251.28,3160.5 R19.2@6388,3160.5 6372,3144.5 5208.5,3144.5 5196.5,3156.5 4787.72,3156.5 R21.2@4780,3156.5 4768,3144.5 3669.5,3144.5 3624.5,3099.5 2918,3099.5 2856,3037.5 R24.2@2466,3037.5 ; MT1.1@254.57,2397.41 MT1.1@265.13,2386.86 ; 2420.41,3107 2420.41,3083.09 R24.2@2466,3037.5
  Bottom Layer w20: v2(414,3344) v2(414,3408.04) ; v2(546,3276) 585.81,3236.19 586.81,3236.19 v2(587,3236) ; v2(575,2343) 617.09,2343 v2(620.09,2340) ; v2(620.51,3236.51) 698.02,3236.51 698.9,3235.62 v1(699.17,3235.62) ; v1(853.37,2731) 916,2668.37 v2(916,2621) ; v1(869,2469) 869,2468.73 870,2467.73 v2(870,2311) ; v1(1160.5,2569) 1199.35,2530.16 1200.52,2530.16 v1(1200.71,2529.97) ; v1(1267.68,2530.93) 1267.87,2531.12 1269.12,2531.12 v1(1322.25,2584.25) ; v1(1609.73,2606.5) 1703.14,2606.5 1808.49,2711.84 1808.49,2760.42 1911.21,2863.14 1910.5,2863.85 1910.5,2958.03 1953.97,3001.5 1974.27,3001.5 1988.62,2987.15 1988.62,2966.85 1973.27,2951.5 1967.35,2951.5 1952,2936.15 1952,2915.85 1966.35,2901.5 1998.15,2901.5 2098.15,3001.5 2144.6,3001.5 2150.87,3007.77 2196.59,3007.77 2197.47,3006.9 2234.33,3006.9 2235.21,3007.77 v1(2289.5,3007.77)
VOUT: C19.1 L7.2 Q2.14 SW1.3 | length 1108.9
  Top Layer w20: SW1.3@188.21,1656.26 353.61,1656.26 361.59,1648.28 517.08,1648.28 697.79,1829 L7.2@945,1829 ; C19.1@1052,1829.55 1054.47,1829.55 1064.15,1819.87 1064.15,1712.5 1067.5,1709.15 1067.5,1678.88 1067.63,1678.75 Q2.14@1067.63,1670.77
  Top Layer w39: L7.2@945,1829 1047.61,1829 1048.16,1829.55 C19.1@1052,1829.55
VSTOR: C15.1 C16.1 Q2.3 Q2.6 Q2.19 TP17.1 | length 1877.6
  Top Layer w10: Q2.3@1088,1539.04 1088,1431.04 1105.28,1413.76 1155.72,1413.76
  Top Layer w15.21: 977.13,1576.54 983.52,1576.54 988.41,1581.43 Q2.19@1018.83,1581.43
  Top Layer w20: C15.1@848,1579.55 761.55,1579.55 TP17.1@694.5,1512.5 694.5,1380.85 738.7,1336.65 866.12,1336.65 1170.12,1032.65 1290.31,1032.65 1302.03,1044.37 1302.03,1267.45 1155.72,1413.76 1155.72,1419.96 1161.48,1425.73 1161.48,1488.28 1152.96,1496.8 1152.96,1559.35
pads on no net: BT1.2 D1.2 D2.3 D2.4 D3.2 D4.2 D5.2 D6.2 D7.2 D8.2 D9.2 D10.2 D11.2 D12.2 D13.2 D14.2 D15.2 D16.2 D17.2 D18.2 D19.2 D20.2 D21.2 D22.2 D23.2 D24.2 D25.2 D26.2 D27.2 D28.2 D29.2 D30.2 D31.2 D32.2 D33.2 D34.2 D35.2 D36.2 D37.2 D38.2 D39.2 D40.2 D41.3 D41.4 D41.6 H3.2 J2. J2.A8 J2.B8 LED41.1-DO Q1.13 Q3.17 Q4.17 Q5.4 Q5.5 Q6. Q6.3 Q6.4 Q7.4 Q7.5 Q8.4 Q8.5 SW1.1 SW1.4 SW1.5 SW1.6 SW1.S1 SW1.S2 SW2.4 SW2.5 SW3.4 SW3.5 SW4.4 SW4.5 SW5.4 SW5.5 SW6.4 SW6.5 SW7.4 SW7.5 SW8.4 SW8.5 SW9.4 SW9.5 SW10.4 SW10.5 SW11.4 SW11.5 SW12.4 SW12.5 SW13.4 SW13.5 SW14.4 SW14.5 SW15.4 SW15.5 SW16.4 SW16.5 SW17.4 SW17.5 SW18.4 SW18.5 SW19.4 SW19.5 SW20.4 SW20.5 SW21.4 SW21.5 SW22.4 SW22.5 SW23.4 SW23.5 SW24.4 SW24.5 SW25.4 SW25.5 SW26.4 SW26.5 SW27.4 SW27.5 SW28.4 SW28.5 SW29.4 SW29.5 SW30.4 SW30.5 SW31.4 SW31.5 SW32.4 SW32.5 SW33.4 SW33.5 SW34.4 SW34.5 SW35.4 SW35.5 SW36.4 SW36.5 SW37.4 SW37.5 SW38.4 SW38.5 SW39.4 SW39.5

## Polygon pours and split planes (outlines as drawn)
GND on Top Layer "GND_L01_P015" (solid, pour order 15): 1266,3530 1264,3532 1264,3924 1754,3924 1755,3923 1749,3917 1749,3521
GND on Top Layer "NONET_L-01_P-001" (solid, pour order 14): -115,458 7,580 2048,580 2048,-1974 1550,-2472 873,-2472
GND on Top Layer "GND_L01_P011" (solid, remove dead copper, pour order 11): 1801.05,3393 1801.05,-2103 7430.95,-2103 7443.05,3393 7355.89,3393 7177.05,3393
NetL5_1 on Top Layer "NETL5_1_L01_P013" (solid, pour order 13): 664.01,2521.99 667,2519 733,2519 733,2686 728,2691 784,2747 831,2747 941,2857 941,2892 929,2892 926,2889 926,2857 800,2857 662.02,2719.02
GND on Top Layer "GND_L01_P006" (solid, remove dead copper, pour order 6): 1.58,3548 1745.58,3548 1745.58,3416.69 1750.8,3421.9 1760,3421.9 1760,3107 1.58,3107
NetC17_1 on Top Layer "NETC17_1_L01_P004" (solid, remove dead copper, pour order 4): 706,1420 707,1421 1157.47,1421 1380.07,1258.07 1395,1024 706,1015 706.94,1329
GND on Top Layer "GND_L01_P002" (solid, pour order 2): 820.36,1630.36 1012.36,1619 1035.36,1619 1035.36,1631.36 1012.36,1630.36 990.36,1656.36 977.36,1675.36 839.36,1675.36 820.36,1656.36
VSTOR on Top Layer "VSTOR_L01_P001" (solid, pour order 1): 763,1601 1000,1601 1011,1590 1035,1590 1035,1580 1034,1579 992,1579 963,1553 960,1553 759,1553 759,1601
GND on Bottom Layer "GND_L02_P010" (solid, pour order 10): 1748.89,3535.56 1750.89,3537.56 1750.89,3929.56 1260.89,3929.56 1259.89,3928.56 1265.89,3922.56 1265.89,3526.56
GND on Bottom Layer "NONET_L-01_P-001" (solid, pour order 12): 1268,3931 1265,3928 1265,3545 1741.73,3545 1745,3548.27 1745,3925
GND on Bottom Layer "SS" (solid, remove dead copper, pour order 9): -38.9,3549 2172.42,3549 2172.42,3927.35 7574.42,3927.35 7685.42,3816.35 7685.42,-2979.65 -95.58,-2979.65 -128.58,-3012.65

## Keep-outs
Keep-Out Layer:
  lines w20: 0.01,-0.09 146.43,-0.09 146.43,-289.8 479.2,-1003.43 795.33,-1681.38 1128.1,-2395 3327.42,-1369.44 3131.41,-949.1 3595.27,-732.8 3791.28,-1153.14 4317.45,-907.78 7103.08,-907.78 7103.08,-214.47 7442.84,-214.47 7442.84,3420.21 7062.33,3420.21 7062.33,3938.68 4227.68,3938.68 4227.68,3420.22 3715.87,3420.22 3715.87,3938.68 2219.81,3938.68 2219.81,3420.22 1758,3420.22 1758,3934 1.84,3934 0.01,-0.09

## Other copper
Top Layer:
  pour cut-out: 1043.1,3494 1039,3489.9 1039,3169.26 1060.92,3169.26 1069.97,3169.26 1071.72,3494
  pour cut-out: 1083.13,1314.29 1293.42,1104 1294,1104 1294,1255.29 1159.32,1389.97 1087.03,1389.97 1086,1391
  pour cut-out: 705,1233 755,1283 899.31,1283 1160.71,1021.6 1096,1015 706,1015
  pour cut-out: 865.57,3513.24 987.81,3513.24 987.81,3463.38 982.43,3458 865.57,3458
  pour cut-out: 875.21,2883.76 875.21,3169.26 1175.7,3169.26 1178.66,3166.31 1178.11,3165.76 1178.11,2871.87 887.11,2871.87

## Silkscreen, mask and mechanical layers (free items; w line width, h text height)
Top Overlay:
  lines w10: 20,3582 1016,3582 ; 27,2002 59,2002 1523,2002 1523,1966 ; 1086,3582 1168,3582 ; 1235,3582 1730,3582 ; 1523,716 1523,2005 ; 2238,3578 2243,3573 2568,3573 2568,2430 ; 4262,3668 7020,3668
  text "CS" at 412,3438 h60
  text "Temp Sensor" at 234,3313 h30
  text "Team: Low Self Esteem                      v1.1 / Low Power Embedded Design Techniques   11/2/24 /  / Parth Thakkar                           / Anagha Adithya / Akash Karoshi" at 4243,3306 h60
  text "SWD" at 1641,3241 h30
  text "DISPLAY" at 829,2041 h60
  text "DNP" at 259,2024 h30
  text "BATTERY" at 378,1314 h50 r90
  text "IO exp Reset" at 1590,1030 h30 r90
  text "DNP" at 1272,752 h30 r90
Bottom Overlay:
  drawing of 5 lines, arcs and shapes, not listed
  text "MCU Reset" at 1643,3879 h30
  text "Be You" at 6616,3820 h60
  text "Solar Panel" at 1160,529 h60
Mechanical 13:
  circle w10: c1426,-1398 r129.63
  lines w10: 219,1493 267,1493 267,1371 221,1371 219,1373 219,1496

## Text inside footprints (layer, text, board x,y; h text height)
J2: Mechanical 13 "PCB EDGE" at 9.19,930.43 h24 r270